# Allegro board reComputer Industrial J201_V1.2.brd (continued)
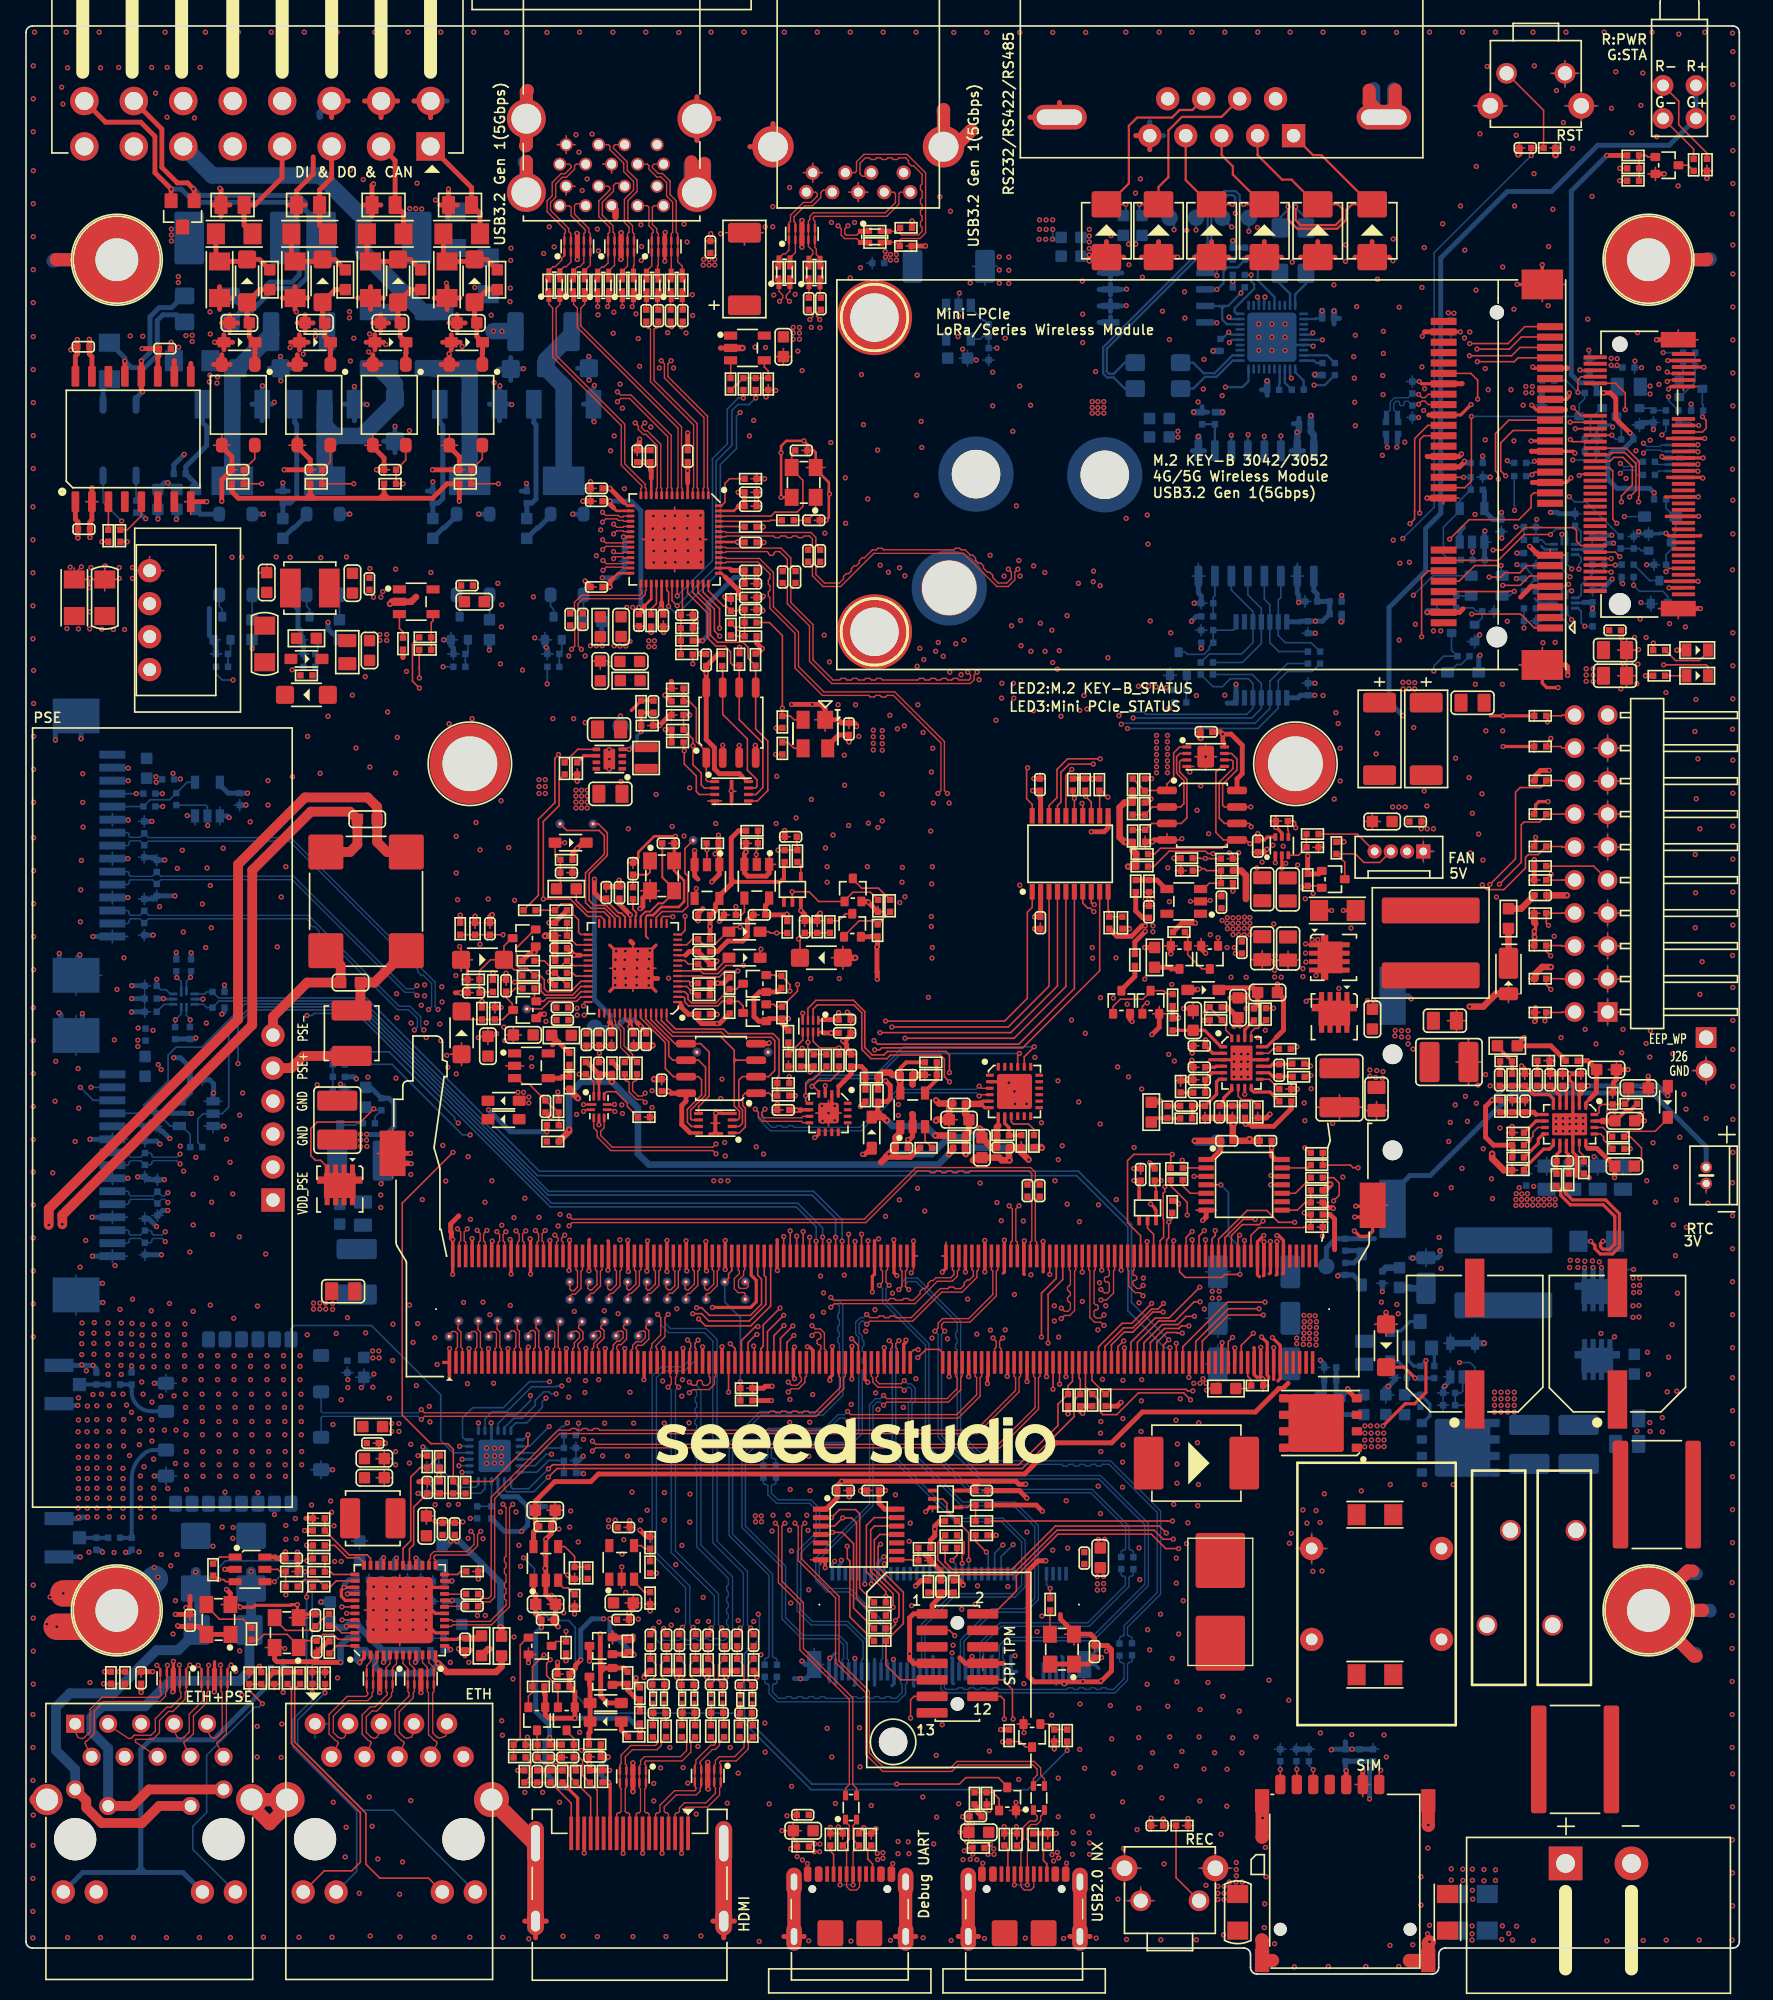
[diagram p0: board, top side]
## Routing (per net, layer and track width the routed paths; a pad name or vN(x,y) marks a point on that pad's centre or on a via; arc(x,y) is an arc through that point) (continued)
  LAY3 w0.127: v1(33.3,65.53) 33.3,66.37 37.32,70.38 37.32,75.28 35.86,76.74 35.82,76.74 35.6,76.96 35.6,79.8 35.28,80.12 35.28,81.56 34.4,82.44 34.4,88.03 29.89,92.54 29.89,99.37 v1(30.31,99.79) ; v1(78.88,53.87) 78.88,56.84 78.13,57.58 78.13,59.3 74.73,62.71 v1(74.73,96.54) 74.73,100.04 75.43,100.74 75.43,104.05 77.63,106.25 v1(77.63,108.42)
  LAY4 w0.127: v1(122.77,138.08) 118.18,138.08 106.63,126.54 106.63,119.57 106.94,119.27 106.94,117.68 101.35,112.09 101.35,109.29 100.64,108.58 78.18,108.58 78.03,108.42 v1(77.63,108.42) ; v1(74.73,96.54) 74.34,96.54 74.31,96.51 58.35,96.51 57.55,97.32 33.28,97.32 30.8,99.79 v1(30.31,99.79) ; v1(48.58,30.87) 48.59,30.88 72.29,30.88 73.03,31.62 73.03,33.73 74.68,35.38 74.68,43.1 76.43,44.85 76.43,51.43 v1(78.88,53.87)
  BOTTOM w0.127: R409.1 27.97,71.01 33.02,65.96 33.02,65.81 v1(33.3,65.53)
MODE_0: length 13.6
  LAY3 w0.178: v1(91.75,130.78) 91.75,131.01 v1(88.45,134.31)
  LAY4 w0.178: v1(92.69,127.58) 92.69,129.84 v1(91.75,130.78)
  BOTTOM w0.178: v1(92.69,127.58) 92.83,127.44 U42.29 ; R391.2 92.19,132.01 91.75,131.57 v1(91.75,130.78) 91.55,130.98 SW3.1 ; TP50.1 88.45,134.9 v1(88.45,134.31)
MODE_1: length 16
  LAY3 w0.178: v1(91.75,129.71) 92.23,130.2 92.23,131.29 90.14,133.37 v1(90.14,134.29)
  BOTTOM w0.178: SW3.2 v1(91.75,129.71) 91.77,129.71 92.26,130.2 92.26,131.08 92.59,131.41 93.34,131.41 R392.2 94.56,132.01 94.9,131.67 94.9,130.42 96.19,129.14 U42.36 ; TP51.1 v1(90.14,134.29)
MODE_2: length 13.3
  LAY3 w0.178: v1(92.89,134.52) 93.6,133.81 v1(93.6,129.43)
  BOTTOM w0.178: 92.16,128.24 92.16,127.4 92.52,127.04 U42.28 ; 92.16,128.24 92.36,128.44 ; 92.16,128.24 92.16,128.42 92.18,128.44 ; 92.16,128.24 91.95,128.44 ; 92.36,128.44 92.18,128.44 ; 92.36,128.44 92.61,128.44 v1(93.6,129.43) 93.6,129.57 R393.2 ; 92.18,128.44 91.95,128.44 ; 91.95,128.44 SW3.3 ; TP52.1 v1(92.89,134.52)
MODULE_ID: length 76.1
  TOP w0.127: J9.217 v1(88.63,48.56) ; v1(40.24,77.13) 40.29,77.09 R131.2 40.75,77.08 41.31,76.52 41.31,76.51 R137.2
  LAY3 w0.127: v1(77.73,70.58) 78.41,70.58 83.49,65.5 83.49,61.51 84.66,60.35 86.53,60.35 88.9,57.98 88.9,56.21 88.63,55.93 v1(88.63,48.56)
  LAY4 w0.127: v1(77.73,70.58) 77.33,70.58 77.21,70.46 40.8,70.46 39.56,71.69 39.56,76.51 40.19,77.13 v1(40.24,77.13)
MR: length 1.8
  TOP w0.127: R76.2 58.71,94.84 59.17,94.38 U13.3
OE: length 6.4
  BOTTOM w0.127: Q52.3 89.31,101.78 89.47,101.62 90.76,101.62 91.17,102.03 91.17,102.21 R345.2 R344.1 92.99,103.48 93.23,103.71 U47.8
PCIE0_CLK_N: length 55.6
  TOP w0.107: J9.160 74.38,54.24 74.49,54.12 74.49,52.33 72.62,50.46 70.62,50.46 70.27,50.12 70.27,49.74 v1(70.03,49.5)
  BOTTOM w0.107: J21.53 74.88,24.18 74.99,24.29 74.99,25.32 75.6,25.93 82.11,25.93 86.2,30.02 86.2,34.59 82.67,38.12 73.48,38.12 70.27,41.33 70.27,49.26 v1(70.03,49.5)
PCIE0_CLK_P: length 55.6
  TOP w0.107: J9.162 74.88,54.24 74.76,54.12 74.76,52.22 72.73,50.2 70.73,50.2 70.54,50.01 70.54,49.74 v1(70.78,49.5)
  BOTTOM w0.107: v1(70.78,49.5) 70.54,49.26 70.54,41.44 73.59,38.39 82.78,38.39 86.47,34.7 86.47,29.91 82.22,25.66 75.72,25.66 75.26,25.21 75.26,24.29 75.38,24.18 J21.55
PCIE0_CLKREQ: length 26.4
  TOP w0.127: v1(78.24,49.04) 78.24,52.42 79.38,53.56 J9.180
  LAY3 w0.127: v1(78.24,49.04) 78.24,48.65 78.16,48.57 78.16,37.03 75.26,34.13 v1(75.26,33.04)
  BOTTOM w0.127: J21.52 74.63,32.4 v1(75.26,33.04)
PCIE0_RST: length 21.9
  TOP w0.127: J9.181 v1(79.63,45.41) ; v1(73.99,32.49) 73.16,33.32 R217.2
  LAY3 w0.127: v1(79.63,45.41) 79.63,35.52 76.52,32.41 74.07,32.41 v1(73.99,32.49)
  BOTTOM w0.127: J21.50 74.13,32.35 v1(73.99,32.49)
PCIE0_RX0_N: length 37.1
  TOP w0.107: J9.131 65.13,46.04 65.24,45.92 65.24,45.58 65.64,45.18 67.43,45.18 v1(67.67,44.94)
  BOTTOM w0.107: v1(67.67,44.94) 67.91,45.18 68.06,45.18 68.24,45.01 68.24,44.25 67.98,44 67.98,40.14 72.05,36.07 76.08,36.07 77.72,34.43 77.72,28.94 76.92,28.13 74.39,28.13 71.99,25.73 71.99,24.29 71.88,24.18 J21.41
PCIE0_RX0_P: length 37.1
  TOP w0.107: J9.133 65.63,46.04 65.51,45.92 65.51,45.69 65.75,45.45 67.43,45.45 v1(67.67,45.69)
  BOTTOM w0.107: J21.43 72.38,24.18 72.26,24.29 72.26,25.62 74.5,27.86 77.03,27.86 77.99,28.82 77.99,34.54 76.19,36.34 72.17,36.34 68.25,40.25 68.25,43.89 68.51,44.14 68.51,45.12 68.18,45.45 67.91,45.45 v1(67.67,45.69)
PCIE0_RX1_N: length 39.6
  TOP w0.107: v1(66.5,48.77) 66.74,48.52 66.74,48.26 66.63,48.15 J9.137
  BOTTOM w0.107: v1(66.5,48.77) 66.74,48.52 66.74,39.65 71.56,34.83 75.16,34.83 76.71,33.28 76.71,29.93 76.08,29.3 71.35,29.3 68.99,26.94 68.99,24.29 68.88,24.18 J21.29
PCIE0_RX1_P: length 39.6
  TOP w0.107: v1(67.25,48.77) 67.01,48.52 67.01,48.26 67.13,48.15 J9.139
  BOTTOM w0.107: v1(67.25,48.77) 67.01,48.52 67.01,39.76 71.67,35.1 75.27,35.1 76.98,33.4 76.98,29.81 76.19,29.03 71.46,29.03 69.26,26.83 69.26,24.29 69.38,24.18 J21.31
PCIE0_RX2_N: length 34.9
  TOP w0.107: J9.149 71.63,46.04 71.74,45.92 71.74,45.09 70.96,44.31 66.31,44.31 v1(66.07,44.55)
  BOTTOM w0.107: v1(66.07,44.55) 65.83,44.31 65.45,44.31 64.99,43.85 64.99,36.17 60.85,32.03 60.85,30.28 61.71,29.42 63.38,29.42 65.99,26.8 65.99,24.29 65.88,24.18 J21.17
PCIE0_RX2_P: length 34.9
  TOP w0.107: J9.151 72.13,46.04 72.01,45.92 72.01,44.98 71.07,44.04 66.31,44.04 v1(66.07,43.79)
  BOTTOM w0.107: v1(66.07,43.79) 65.83,44.04 65.56,44.04 65.26,43.73 65.26,36.06 61.12,31.92 61.12,30.4 61.82,29.69 63.49,29.69 66.26,26.91 66.26,24.29 66.38,24.18 J21.19
PCIE0_RX3_N: length 44.3
  TOP w0.107: J9.155 73.13,46.04 73.24,45.92 73.24,44.61 71.71,43.07 63.54,43.07 v1(63.3,43.32)
  BOTTOM w0.107: J21.5 62.88,24.18 62.99,24.29 62.99,25.36 62.54,25.81 59.77,25.81 58.25,27.33 58.25,31.3 55.16,34.39 55.16,40 57.17,42.01 61.5,42.01 62.56,43.07 63.06,43.07 v1(63.3,43.32)
PCIE0_RX3_P: length 44.3
  TOP w0.107: J9.157 73.63,46.04 73.51,45.92 73.51,44.49 71.82,42.8 63.54,42.8 v1(63.3,42.56)
  BOTTOM w0.107: v1(63.3,42.56) 63.06,42.8 62.68,42.8 61.62,41.74 57.29,41.74 55.43,39.89 55.43,34.5 58.52,31.41 58.52,27.44 59.88,26.08 62.65,26.08 63.26,25.47 63.26,24.29 63.38,24.18 J21.7
PCIE0_TX0_M2_N: length 16.7
  BOTTOM w0.107: C264.1 84.37,30.75 84.48,30.64 84.6,30.64 84.71,30.53 84.71,30.38 84.71,29.95 81.8,27.05 75.04,27.05 73.49,25.5 73.49,24.29 73.38,24.18 J21.47
PCIE0_TX0_M2_P: length 16.7
  BOTTOM w0.107: C265.1 85.31,30.74 85.21,30.63 85.08,30.63 84.98,30.53 84.97,30.38 84.97,29.84 81.91,26.78 75.15,26.78 73.76,25.39 73.76,24.29 73.88,24.18 J21.49
PCIE0_TX0_N: length 36.8
  TOP w0.107: v1(65.75,53.03) 65.99,53.27 65.99,54.12 65.88,54.24 J9.134
  BOTTOM w0.107: v1(65.75,53.03) 65.99,52.78 65.99,51.74 69.3,48.43 69.3,40.52 72.76,37.05 82.03,37.05 84.72,34.37 84.72,32.89 84.72,32.74 84.61,32.64 84.49,32.64 84.38,32.53 C264.2
PCIE0_TX0_P: length 36.8
  TOP w0.107: v1(66.5,53.03) 66.26,53.27 66.26,54.12 66.38,54.24 J9.136
  BOTTOM w0.107: v1(66.5,53.03) 66.26,52.78 66.26,51.85 69.56,48.54 69.56,40.63 72.87,37.32 82.14,37.32 84.99,34.48 84.99,32.89 84.98,32.74 85.09,32.63 85.21,32.63 85.32,32.53 C265.2
PCIE0_TX1_M2_N: length 18.4
  BOTTOM w0.107: C276.1 85.21,24.09 85.11,23.99 84.97,23.99 84.86,23.88 84.86,22.61 83.9,21.65 70.78,21.65 70.49,21.94 70.49,22.3 70.38,22.42 J21.35
PCIE0_TX1_M2_P: length 18.4
  BOTTOM w0.107: C277.1 84.25,24.09 84.36,23.98 84.49,23.98 84.59,23.88 84.59,22.73 83.78,21.92 83.33,21.92 83.2,22.04 82.89,22.04 82.77,21.92 82.46,21.92 82.34,22.04 82.03,22.04 81.9,21.92 81.6,21.92 81.47,22.04 81.17,22.04 81.04,21.92 80.74,21.92 80.61,22.04 80.3,22.04 80.18,21.92 74.97,21.92 74.84,22.04 74.54,22.04 74.41,21.92 74,21.92 73.88,22.04 73.57,22.04 73.45,21.92 73.14,21.92 73.01,22.04 72.71,22.04 72.58,21.92 72.28,21.92 72.15,22.04 71.85,22.04 71.72,21.92 70.9,21.92 70.76,22.05 70.76,22.3 70.88,22.42 J21.37
PCIE0_TX1_N: length 47.4
  TOP w0.107: v1(67.25,52.7) 67.49,52.94 67.49,54.12 67.38,54.24 J9.140
  BOTTOM w0.107: v1(67.25,52.7) 67.49,52.94 67.49,53.26 67.82,53.59 68.69,53.59 72.01,50.26 72.01,41.63 74.13,39.52 83.55,39.52 87.42,35.66 87.42,29.26 84.86,26.7 84.86,26.11 84.97,26 85.1,26 85.21,25.9 C276.2
PCIE0_TX1_P: length 47.4
  TOP w0.107: J9.142 67.88,54.24 67.76,54.12 67.76,52.94 v1(68,52.7)
  BOTTOM w0.107: C277.2 84.25,25.9 84.36,26 84.49,26 84.59,26.11 84.59,26.81 87.15,29.37 87.15,35.54 83.44,39.25 82.95,39.25 82.82,39.12 82.51,39.12 82.39,39.25 82.08,39.25 81.95,39.12 81.65,39.12 81.52,39.25 81.22,39.25 81.09,39.12 80.79,39.12 80.66,39.25 80.35,39.25 80.23,39.12 79.92,39.12 79.8,39.25 74.02,39.25 71.74,41.52 71.74,46.17 71.62,46.3 71.62,46.6 71.74,46.73 71.74,47.19 71.62,47.32 71.62,47.62 71.74,47.75 71.74,48.05 71.62,48.18 71.62,48.48 71.74,48.61 71.74,48.92 71.62,49.04 71.62,49.35 71.74,49.47 71.74,50.15 68.57,53.32 67.93,53.32 67.76,53.15 67.76,52.94 v1(68,52.7)
PCIE0_TX2_M2_N: length 14.3
  BOTTOM w0.107: C283.1 57.85,22.46 57.74,22.35 57.62,22.35 57.52,22.25 57.52,21.72 58,21.23 58.49,21.23 58.61,21.36 58.92,21.36 59.04,21.23 59.35,21.23 59.48,21.36 59.78,21.36 59.91,21.23 60.21,21.23 60.34,21.36 60.64,21.36 60.77,21.23 61.08,21.23 61.2,21.36 61.51,21.36 61.63,21.23 63.54,21.23 63.67,21.36 63.97,21.36 64.1,21.23 64.4,21.23 64.53,21.36 64.84,21.36 64.96,21.23 65.27,21.23 65.39,21.36 65.7,21.36 65.83,21.23 66.13,21.23 66.26,21.36 66.56,21.36 66.69,21.23 67.04,21.23 67.49,21.68 67.49,22.3 67.38,22.42 J21.23
PCIE0_TX2_M2_P: length 14.3
  BOTTOM w0.107: C284.1 56.91,22.46 57.02,22.35 57.14,22.35 57.25,22.25 57.25,21.6 57.89,20.96 67.16,20.96 67.76,21.57 67.76,22.3 67.88,22.42 J21.25
PCIE0_TX2_N: length 49
  TOP w0.107: v1(62.01,52.1) 62.22,51.89 66.45,51.89 66.58,52.01 66.88,52.01 67.01,51.89 67.52,51.89 67.64,52.01 67.95,52.01 68.08,51.89 68.38,51.89 68.89,52.39 68.89,52.57 69.1,52.79 69.28,52.79 69.5,53 69.5,53.18 69.71,53.4 69.89,53.4 70.11,53.61 71.25,53.61 71.49,53.85 71.49,54.12 71.38,54.24 J9.148
  BOTTOM w0.107: C283.2 57.85,24.24 57.74,24.35 57.62,24.35 57.52,24.46 57.52,30.8 54.44,33.88 54.44,40.82 56.65,43.03 61.41,43.03 62.93,44.56 62.93,51.55 62.63,51.86 62.25,51.86 v1(62.01,52.1)
PCIE0_TX2_P: length 48.9
  TOP w0.107: J9.150 71.88,54.24 71.76,54.12 71.76,53.74 71.36,53.35 70.22,53.35 68.49,51.62 62.28,51.62 v1(62.01,51.34)
  BOTTOM w0.107: v1(62.01,51.34) 62.25,51.59 62.52,51.59 62.67,51.44 62.67,50.92 62.54,50.79 62.54,50.49 62.67,50.36 62.67,49.96 62.54,49.83 62.54,49.52 62.67,49.4 62.67,49.09 62.54,48.97 62.54,48.66 62.67,48.53 62.67,44.67 61.29,43.3 56.54,43.3 54.17,40.93 54.17,33.76 57.25,30.69 57.25,24.46 57.14,24.35 57.02,24.35 56.91,24.24 C284.2
PCIE0_TX3_M2_N: length 22.5
  BOTTOM w0.107: C259.1 56.81,37.8 56.92,37.69 57.05,37.69 57.16,37.59 57.16,36.91 57.82,36.25 60.36,36.25 60.87,35.74 60.87,34 59.42,32.55 59.42,27.94 60.48,26.88 63.2,26.88 64.49,25.58 64.49,24.29 64.38,24.18 J21.11
PCIE0_TX3_M2_P: length 22.5
  BOTTOM w0.107: C258.1 57.78,37.8 57.67,37.69 57.53,37.69 57.43,37.59 57.43,37.02 57.93,36.52 60.48,36.52 61.14,35.85 61.14,33.89 59.69,32.44 59.69,28.05 60.59,27.15 63.31,27.15 64.76,25.7 64.76,24.29 64.88,24.18 J21.13
PCIE0_TX3_N: length 30.4
  TOP w0.107: v1(64.77,50.79) 65.02,50.54 65.61,50.54 65.74,50.67 66.04,50.67 66.17,50.54 66.48,50.54 66.6,50.67 66.91,50.67 67.03,50.54 68.2,50.54 70.44,52.78 71.02,52.78 71.15,52.9 71.45,52.9 71.58,52.78 72.01,52.78 72.29,53.05 72.29,53.23 72.5,53.44 72.68,53.44 72.99,53.75 72.99,54.12 72.88,54.24 J9.154
  BOTTOM w0.107: C259.2 56.81,39.59 56.92,39.69 57.05,39.69 57.16,39.8 57.16,40.52 57.58,40.94 63.37,40.94 64.16,41.74 64.16,49.02 63.92,49.26 63.92,50.19 64.27,50.54 64.53,50.54 v1(64.77,50.79)
PCIE0_TX3_P: length 30.3
  TOP w0.107: v1(64.77,50.03) 65.02,50.27 68.31,50.27 70.55,52.51 72.12,52.51 73.26,53.64 73.26,54.12 73.38,54.24 J9.156
  BOTTOM w0.107: v1(64.77,50.03) 64.53,50.27 64.38,50.27 64.19,50.08 64.19,49.37 64.43,49.13 64.43,48.83 64.55,48.7 64.55,48.4 64.43,48.27 64.43,47.97 64.55,47.84 64.55,47.53 64.43,47.41 64.43,47.06 64.55,46.93 64.55,46.63 64.43,46.5 64.43,41.62 63.48,40.68 57.69,40.68 57.43,40.41 57.43,39.8 57.53,39.69 57.67,39.69 57.78,39.59 C258.2
PCIE1_CLK_N: length 58.5
  TOP w0.107: v1(43.64,41.03) 43.89,40.79 74.92,40.79 77.74,43.61 77.74,45.92 77.63,46.04 J9.173 ; U38.26 31.05,31.88 31.16,31.99 31.16,32.27 31.43,32.53 33.96,32.53 34.52,33.09 34.52,33.84 v1(34.28,34.09)
  LAY3 w0.084: v1(43.64,41.03) 43.38,40.77 42.56,40.77 40.76,38.98 40.76,36.49 39.35,35.07 34.9,35.07 34.54,34.71 34.54,34.35 v1(34.28,34.09)
PCIE1_CLK_P: length 58.5
  TOP w0.107: v1(43.64,40.27) 43.89,40.52 75.03,40.52 78.01,43.5 78.01,45.92 78.13,46.04 J9.175 ; v1(35.04,34.09) 34.79,33.84 34.79,32.98 34.08,32.26 31.54,32.26 31.43,32.16 31.43,31.99 31.55,31.88 U38.25
  LAY3 w0.084: v1(43.64,40.27) 43.38,40.53 42.66,40.53 41,38.88 41,36.39 39.45,34.84 35,34.84 34.78,34.61 34.78,34.35 v1(35.04,34.09)
PCIE1_CLKREQ: length 82.8
  TOP w0.127: J9.182 79.88,53.48 78.74,52.34 v1(78.74,48.59) ; U38.42 v1(24.34,28.27)
  LAY4 w0.127: v1(78.74,48.59) 79.02,48.31 79.02,45.66 75.63,42.27 75.63,31.45 73.54,29.36 68.23,29.36 67.65,29.94 65.9,29.94 61.46,25.5 36.88,25.5 36.35,26.03 26.29,26.03 25.81,26.51 25.81,27.55 25.09,28.27 v1(24.34,28.27)
PCIE1_RST: length 74.9
  TOP w0.127: J9.183 v1(80.13,45.99) ; U38.44 v1(24.36,27.27)
  LAY4 w0.127: v1(24.36,27.27) 24.8,27.27 25.15,26.92 25.15,26.11 25.76,25.5 36.13,25.5 36.66,24.96 39.12,24.96 39.17,25.01 61.63,25.01 66.09,29.48 67.46,29.48 68.04,28.9 73.92,28.9 76.48,31.47 76.48,40.94 80.13,44.58 v1(80.13,45.99)
PCIE1_RX0_N: length 55.1
  TOP w0.107: J9.167 76.13,46.04 76.24,45.92 76.24,44.94 73.18,41.88 44.2,41.88 44.07,42.01 43.77,42.01 43.64,41.88 43.34,41.88 43.21,42.01 42.9,42.01 42.78,41.88 42.47,41.88 42.35,42.01 42.04,42.01 41.91,41.88 41,41.88 35.84,36.72 35.84,29.13 35.63,28.92 35.17,28.92 C165.1
PCIE1_RX0_P: length 55.3
  TOP w0.107: C166.1 35.17,28.65 35.74,28.65 36.11,29.02 36.11,36.61 41.11,41.61 73.29,41.61 76.51,44.83 76.51,45.92 76.63,46.04 J9.169
PCIE1_TX0_N: length 4.8
  TOP w0.107: C143.1 77.16,59.83 77.49,59.49 77.49,56.46 77.38,56.35 J9.172
PCIE1_TX0_P: length 4.8
  TOP w0.107: J9.174 77.88,56.35 77.76,56.46 77.76,59.52 78.1,59.85 C144.1
PCIE_1PPS_3V3: length 86.9
  TOP w0.127: v1(109.68,110.48) 111.18,111.98 115.02,111.98 115.95,112.92 115.95,113.85 116.16,114.05 J5.19 ; J9.225 90.63,48.73 92.64,50.74 v1(95.33,50.74)
  LAY3 w0.127: v1(95.33,50.74) 95.72,50.74 100.28,55.3 100.28,59.63 101.02,60.37 101.02,63.34 112.91,75.23 112.91,81.88 113.88,82.86 113.88,84.99 113.02,85.86 113.02,92.95 108.94,97.02 108.94,102.61 109.68,103.35 v1(109.68,110.48)
PCIE_ETH_RESET: length 7.6
  TOP w0.127: R211.1 35.93,37.93 38.67,40.67 v1(38.67,41.52)
  BOTTOM w0.127: v1(38.67,41.52) 38.29,41.14 U51.13
PCIE_GPIO1_3V3: length 87.4
  TOP w0.127: J9.223 90.13,48.71 92.64,51.23 v1(95,51.23) ; v1(114,115.36) 113.62,115.74 113.62,117.9 114.56,118.85 J5.31
  LAY3 w0.127: v1(106.58,108.71) 102.9,105.02 102.9,75.98 100.97,74.05 100.97,68.72 99.83,67.57 99.83,58.93 99.32,58.43 99.32,54.99 95.56,51.23 v1(95,51.23)
  LAY4 w0.127: v1(114,115.36) 114,114.97 113.53,114.5 112.37,114.5 v1(106.58,108.71)
PCIE_GPIO2_3V3: length 88.7
  TOP w0.127: J5.33 114.25,119.65 113.21,118.61 113.21,115.73 113.44,115.5 v1(113.44,115.11) ; J9.219 89.13,48.3 92.56,51.73 v1(95.46,51.73)
  LAY3 w0.127: v1(105.85,108.63) 102.62,105.4 102.62,76.09 100.74,74.21 100.74,68.81 99.55,67.62 99.55,59.05 99.04,58.54 99.04,55.32 v1(95.46,51.73)
  LAY4 w0.127: v1(105.85,108.63) 112.04,114.83 113.16,114.83 v1(113.44,115.11)
PCIE_RX_N: length 77.5
  TOP w0.107: U38.17 32.78,27.27 32.89,27.15 35.75,27.15 36.99,28.39 36.99,28.77 36.86,28.9 36.86,29.2 36.99,29.33 36.99,29.64 36.86,29.76 36.86,30.07 36.99,30.2 36.99,30.75 36.86,30.88 36.86,31.19 36.99,31.31 36.99,31.62 36.86,31.74 36.86,32.05 36.99,32.18 36.99,35.92 v1(36.74,36.16) ; v1(41.84,57.61) 42.08,57.86 64.7,57.86 68.67,61.83 69.57,61.83 69.7,61.7 70.01,61.7 70.13,61.83 70.44,61.83 70.57,61.7 70.87,61.7 71,61.83 71.3,61.83 71.43,61.7 71.73,61.7 71.86,61.83 72.19,61.83 72.32,61.7 72.62,61.7 72.75,61.83 77.29,61.83 77.49,61.62 77.49,61.12 C143.2
  LAY3 w0.084: v1(41.84,57.61) 42.1,57.87 42.33,57.87 42.49,57.71 42.49,57.37 42.36,57.25 42.36,56.94 42.49,56.81 42.49,55.69 42.27,55.48 42.1,55.48 41.88,55.26 41.88,55.08 41.66,54.87 41.48,54.87 41.27,54.65 41.27,54.47 38.53,51.73 38.53,50.11 37.84,49.42 37.84,46.39 37,45.55 37,36.43 v1(36.74,36.16)
PCIE_RX_P: length 77.7
  TOP w0.107: v1(37.5,36.16) 37.26,35.92 37.26,28.28 35.86,26.88 32.89,26.88 32.78,26.77 U38.16 ; C144.2 77.76,61.12 77.76,61.73 77.4,62.1 68.56,62.1 64.59,58.13 42.08,58.13 v1(41.84,58.37)
  LAY3 w0.084: v1(37.5,36.16) 37.24,36.43 37.24,45.46 38.08,46.3 38.08,49.32 38.76,50.01 38.76,51.63 42.73,55.6 42.73,57.81 42.42,58.11 42.1,58.11 v1(41.84,58.37)
PCIE_SX1261_BUSY_1V8: length 88.8
  TOP w0.127: J9.124 v1(63.38,56.97)
  LAY3 w0.127: v1(63.38,56.97) 63.38,58.64 68.63,63.9 68.63,95.12 v1(69.12,95.6)
  LAY4 w0.127: v1(69.12,95.6) 69.4,95.88 82.34,95.88 84.35,97.89 89.36,97.89 89.69,97.56 103.3,97.56 106.07,100.32 v1(108.46,100.32)
  BOTTOM w0.127: Q48.3 109.83,101.93 R287.2 109.22,101.47 108.46,100.72 v1(108.46,100.32)
PCIE_SX1261_RST_3V3: length 132.8
  LAY3 w0.127: v1(40.34,45.61) 40.34,45.64 42.14,47.44 42.14,48.48 43.95,50.28 43.95,52.86 44.9,53.8 45.09,53.8 45.22,53.93 45.22,54.71 44.63,55.29 44.63,64.15 45.63,65.15 56.65,65.15 57.84,63.95 61.29,63.95 62.74,65.4 62.74,70.68 63.35,71.29 63.35,73.41 65.13,75.19 65.13,77.03 65.94,77.85 65.94,86.84 66.45,87.35 66.45,96.43 66.55,96.53 v1(66.55,96.92)
  LAY4 w0.127: v1(106.89,106.17) 101.86,101.14 85.55,101.14 82.22,97.81 77.25,97.81 76.51,97.07 66.7,97.07 v1(66.55,96.92)
  BOTTOM w0.127: D69.2 108.39,107.67 v1(106.89,106.17) ; v1(40.34,45.61) 38.79,45.61 36.78,43.61 34.42,43.61 33.63,42.82 33.63,41.35 33.84,41.14 U51.6
PCIE_TX_N: length 1.7
  TOP w0.107: C165.2 32.26,29.26 U38.21
PCIE_TX_P: length 1.7
  TOP w0.107: U38.19 32.3,28.32 C166.2
PCIE_USIM_CLK: length 19.8
  TOP w0.127: v1(107.52,102.97) 107.52,107.54 108.03,108.05 J5.12
  LAY4 w0.127: v1(119.08,104.29) 118.67,104.69 112.3,104.69 110.57,102.97 v1(107.52,102.97)
  BOTTOM w0.127: U46.1 118.73,104.71 119.08,104.36 v1(119.08,104.29)
PCIE_USIM_DATA: length 14
  TOP w0.127: J5.10 110.41,107.25 111.62,108.45 v1(113.64,108.45)
  LAY4 w0.127: v1(113.64,108.45) 113.64,108.06 114.16,107.54 114.16,106.77 114.15,106.75 114.15,106.32 114.46,106.01 118.62,106.01 119.08,106.47 v1(119.08,106.5)
  BOTTOM w0.127: D69.1 113.74,108.03 113.64,108.12 v1(113.64,108.45) ; v1(119.08,106.5) 119.03,106.55 118.85,106.55 118.73,106.43 U46.7
PCIE_USIM_PWR: length 12.7
  TOP w0.127: J5.8 114.24,106.45 114.27,106.47 v1(114.66,106.47)
  LAY4 w0.127: v1(119.08,108.2) 118.62,108.2 116.89,106.47 v1(114.66,106.47)
  BOTTOM w0.127: U45.1 118.73,108.55 v1(119.08,108.2) ; v1(114.66,106.47) 114.33,106.15 D70.1
PCIE_USIM_RST: length 11.3
  TOP w0.127: J5.14 113.43,108.85 115.42,110.84 v1(117.45,110.84)
  BOTTOM w0.127: v1(117.45,110.84) 117.89,111.27 118.52,111.27 118.73,111.06 U45.7
PCIE_WAKE: length 76.2
  TOP w0.127: U38.43 v1(24.71,27.77) ; J9.179 v1(79.13,45.03)
  LAY3 w0.127: v1(76.05,33.07) 76.05,34.28 79.13,37.36 v1(79.13,45.03)
  LAY4 w0.127: v1(76.05,33.07) 76.05,31.47 73.71,29.13 68.13,29.13 67.56,29.71 66,29.71 61.53,25.24 38.92,25.24 38.89,25.22 36.77,25.22 36.24,25.75 25.96,25.75 25.51,26.21 25.51,27.25 24.98,27.77 v1(24.71,27.77)
  BOTTOM w0.127: J21.54 75.13,32.14 v1(76.05,33.07)
PCIE_WAKE_3V3: length 137.9
  TOP w0.127: v1(111.38,104.72) 115.14,104.72 116.21,103.65 J5.1
  LAY3 w0.127: v1(101.45,61.36) 101.58,61.49 101.58,63.16 113.43,75.01 113.43,81.67 114.34,82.58 114.34,85.18 113.48,86.05 113.48,93.14 109.5,97.11 109.5,102.15 110.24,102.89 110.24,103.58 v1(111.38,104.72)
  LAY4 w0.127: v1(101.45,61.36) 101.45,60.8 100.92,60.27 97.9,60.27 96.27,61.89 95.61,61.89 93.91,60.19 85.46,60.19 82.76,57.5 73.18,57.5 71.23,55.54 59.87,55.54 54.23,49.91 48.92,49.91 42.82,43.81 35.06,43.81 33.4,42.16 v1(33.4,40.63)
  BOTTOM w0.127: v1(33.4,40.63) 33.41,40.64 U51.5
POE_PSE+: length 124.7
  TOP w0.762: J13.13 10.26,12.94 8.94,11.63 5.82,11.63 4.64,12.8 4.64,13.36 J13.11 ; v1(1.76,57.68) 1.76,58.92 16.34,73.5 16.34,85.44 21.49,90.6 26.33,90.6 27.05,89.87 C304.1 27.05,87.16 27.82,86.4 L33.2
  LAY3 w0.762: v1(13.08,30.96) 13.08,32.36 12.15,33.29 3.15,33.29 1.76,34.69 v1(1.76,57.68)
  BOTTOM w0.762: v1(13.08,30.96) D104.2 13.34,29.42 13.34,26.68 D102.2 13.15,26.37 11.73,24.94 10.06,24.94 6.73,21.61 3.38,21.61 2.32,20.54 2.32,17.22 3.79,15.74 J13.11
POE_PSE-: length 125.3
  TOP w0.762: L33.1 24.96,86.4 25.53,86.97 C304.2 24.95,89.5 21.95,89.5 17.43,84.99 17.43,73.07 2.8,58.44 v1(2.8,57.73) ; J13.12 8.2,12.94 9.47,14.21 J13.14
  LAY3 w0.762: v1(17.35,30.99) 16.84,31.49 16.84,31.59 14.18,34.26 3.61,34.26 2.8,35.07 v1(2.8,57.73)
  BOTTOM w0.762: J13.12 6.33,17.37 5.03,18.66 5.03,19.77 5.88,20.62 9.17,20.62 11.12,22.57 16.45,22.57 17.22,23.33 D102.1 17.35,26.62 D103.2 v1(17.35,30.99)
POWER_EN: length 86.5
  TOP w0.127: v1(94.56,49.33) 93.63,48.4 J9.237 ; v1(54.69,82.19) R113.1 55.13,81.56 55.35,81.77 U19.4
  LAY3 w0.127: v1(94.56,49.33) 94.39,49.5 94.39,51.37 98.17,55.16 98.17,58.29 97.9,58.57 97.9,66.75 97.41,67.23 97.41,72.14 97.87,72.59 97.87,82.11 v1(98.56,82.8)
  LAY4 w0.127: v1(54.69,82.19) 54.69,82.19 v1(54.69,82.19) ; v1(54.69,82.19) 58.73,82.19 59.59,83.05 65.51,83.05 66.45,82.11 67.49,82.11 67.49,82.11 80.73,82.11 81.44,81.4 85.98,81.4 86.67,82.09 91.37,82.09 91.72,82.44 98.2,82.44 v1(98.56,82.8)
PSE+: length 6.4
  TOP w0.762: L32.2 21.37,70.69 20.44,69.76 J10.5
PSE-: length 10.6
  TOP w0.762: J10.6 19.03,73.7 21.67,76.34 C303.2 24.24,77.66 L33.4
PSE_EN: length 3.9
  BOTTOM w0.127: Q49.1 23.58,68.05 R408.1 R412.2 R413.2 R409.2
PSE_PWR_EN: length 52
  LAY3 w0.127: v1(34.22,64.61) 34.61,64.61 34.84,64.38 43.67,64.38 44.4,63.65 44.4,53.69 42.13,51.42 41.27,51.42 40.54,50.69 40.54,49.91 39.7,49.07 39.7,45.26 40.9,44.06 40.9,40.43 v1(40.49,40.03)
  BOTTOM w0.127: R413.1 28.2,70.05 33.63,64.61 v1(34.22,64.61) ; U51.17 39.21,39.14 40.1,40.03 v1(40.49,40.03)
PWR_BTN*: length 101.4
  TOP w0.127: J8.12 118.36,86.78 118.31,86.82 D25.2 116.49,86.19 115.74,86.19 115.52,85.97 115.52,85.16 113.86,83.5 112.56,83.5 v1(112.2,83.87) ; J9.240 94.38,56.88 94.97,57.48 98.41,57.48 98.45,57.51 D42.2 R201.2 98.62,58.48 v1(98.48,58.62) ; D31.2 56.56,78.85 v1(56.62,78.91)
  LAY3 w0.127: v1(102.09,80.54) 102.09,80.14 102.21,80.02 102.21,76.19 100.51,74.49 100.51,68.91 99.01,67.4 99.01,59.14 v1(98.48,58.62)
  LAY4 w0.127: v1(112.2,83.87) 103.66,83.87 102.09,82.29 v1(102.09,80.54) 96.6,80.54 93.88,77.82 86.08,77.82 85.09,78.81 83.44,78.81 82.67,79.59 61.61,79.59 60.94,78.91 v1(56.62,78.91)
PWR_LED_CTRL: length 137.9
  TOP w0.127: J9.127 64.13,48.4 v1(63.61,48.92) ; R4.1 v1(122.79,139.04)
  LAY3 w0.127: v1(63.61,48.92) 65.92,48.92 68.63,51.63 68.63,54.33 71.56,57.25 71.56,95.75 70.72,96.59 70.72,100.71 71.15,101.14 71.15,102.59 74.28,105.72 v1(74.28,109.24)
  LAY4 w0.127: v1(122.79,139.04) 118.8,139.04 106.33,126.56 106.33,119.55 106.71,119.17 106.71,117.83 101.08,112.2 101.08,109.43 100.49,108.83 82.1,108.83 81.69,109.24 v1(74.28,109.24)
QSPI_CSN: length 20.7
  TOP w0.127: U27.1 54.95,64.76 55.43,65.24 55.43,66.67 55.22,66.87 55.22,67.64 55.41,67.83 U28.1 57.26,67.83 57.45,67.64 R175.2 57.89,67.64 57.89,68.08 57.88,68.08 R169.1 57.88,69.04 58.02,69.17 58.02,71.95 57.56,72.41 54.11,72.41 53.75,72.77 50.05,72.77 49.36,73.45 U23.56
QSPI_SCLK: length 12.3
  TOP w0.127: U27.6 51.3,65.76 51.21,65.86 51.21,66.52 52.35,67.67 52.35,69.83 51.81,70.37 U28.6 49.83,70.37 49.52,70.67 49.52,71.78 47.76,73.54 U23.52
QSPI_SD0: length 11.1
  TOP w0.127: U27.5 51.81,66.79 52.63,67.61 52.63,70.99 51.98,71.64 U28.5 50,71.64 48.16,73.48 U23.53
QSPI_SD1: length 19.7
  TOP w0.127: U23.55 48.96,73.42 49.86,72.51 53.57,72.51 53.95,72.13 57.43,72.13 57.69,71.88 57.69,69.57 57.21,69.1 U28.2 55.19,69.1 54.92,68.83 54.92,66.82 55.2,66.54 55.2,65.51 54.95,65.26 U27.2
QSPI_SD2: length 15.6
  TOP w0.127: 54.56,70.21 54.72,70.37 ; 54.56,70.21 54.56,66.85 54.97,66.44 54.97,65.91 54.83,65.76 U27.3 ; 54.56,70.21 54.56,70.35 ; 54.72,70.37 U28.3 ; 54.72,70.37 54.58,70.37 54.56,70.35 ; 54.72,70.37 54.56,70.52 ; 54.56,70.52 54.56,70.35 ; 54.56,70.52 54.56,71.14 53.5,72.21 49.8,72.21 48.56,73.45 U23.54
QSPI_SD3: length 12.9
  TOP w0.127: U23.51 47.36,73.62 49.26,71.72 49.26,69.72 49.88,69.1 U28.7 51.81,69.1 52.05,68.86 52.05,67.69 50.96,66.59 50.96,65.58 51.27,65.26 U27.7
RF_S0: length 9.4
  BOTTOM w0.305: U50.2 9.88,40.35 arc(9.41,40.26) 9.01,39.99 8.84,39.82 arc(8.32,39.05) 8.14,38.13 C262.2 C261.1
RF_S1: length 4.9
  BOTTOM w0.305: U50.3 9.67,43.33 arc(8.59,43.78) 8.14,44.86 C245.1 C247.1
RP2040_XIN: length 8
  TOP w0.152: U23.20 47.36,81.43 47.73,81.81 48.09,81.81 48.72,82.44 49.09,82.44 49.93,83.29 X2.3 49.93,83.54 49.02,84.45 C73.1
RP2040_XOUT: length 2
  TOP w0.152: U23.21 46.96,81.45 47.02,81.51 47.02,81.73 46.76,81.99 R107.2
RS232_CTS: length 15.8
  TOP w0.178: J1.8 89.87,143.53 88.88,143.53 88.29,142.95 85.6,142.95 84.97,142.31 84.97,137.87 83.37,136.27 v1(84.74,136.27)
  TOP w0.381: 83.37,136.27 D4.2
  BOTTOM w0.178: v1(84.74,136.27) 84.74,135.59 R279.2
